# Altium PCB ir-24v-shit5-7-v2.PcbDoc (part 1 of 5) (continued)
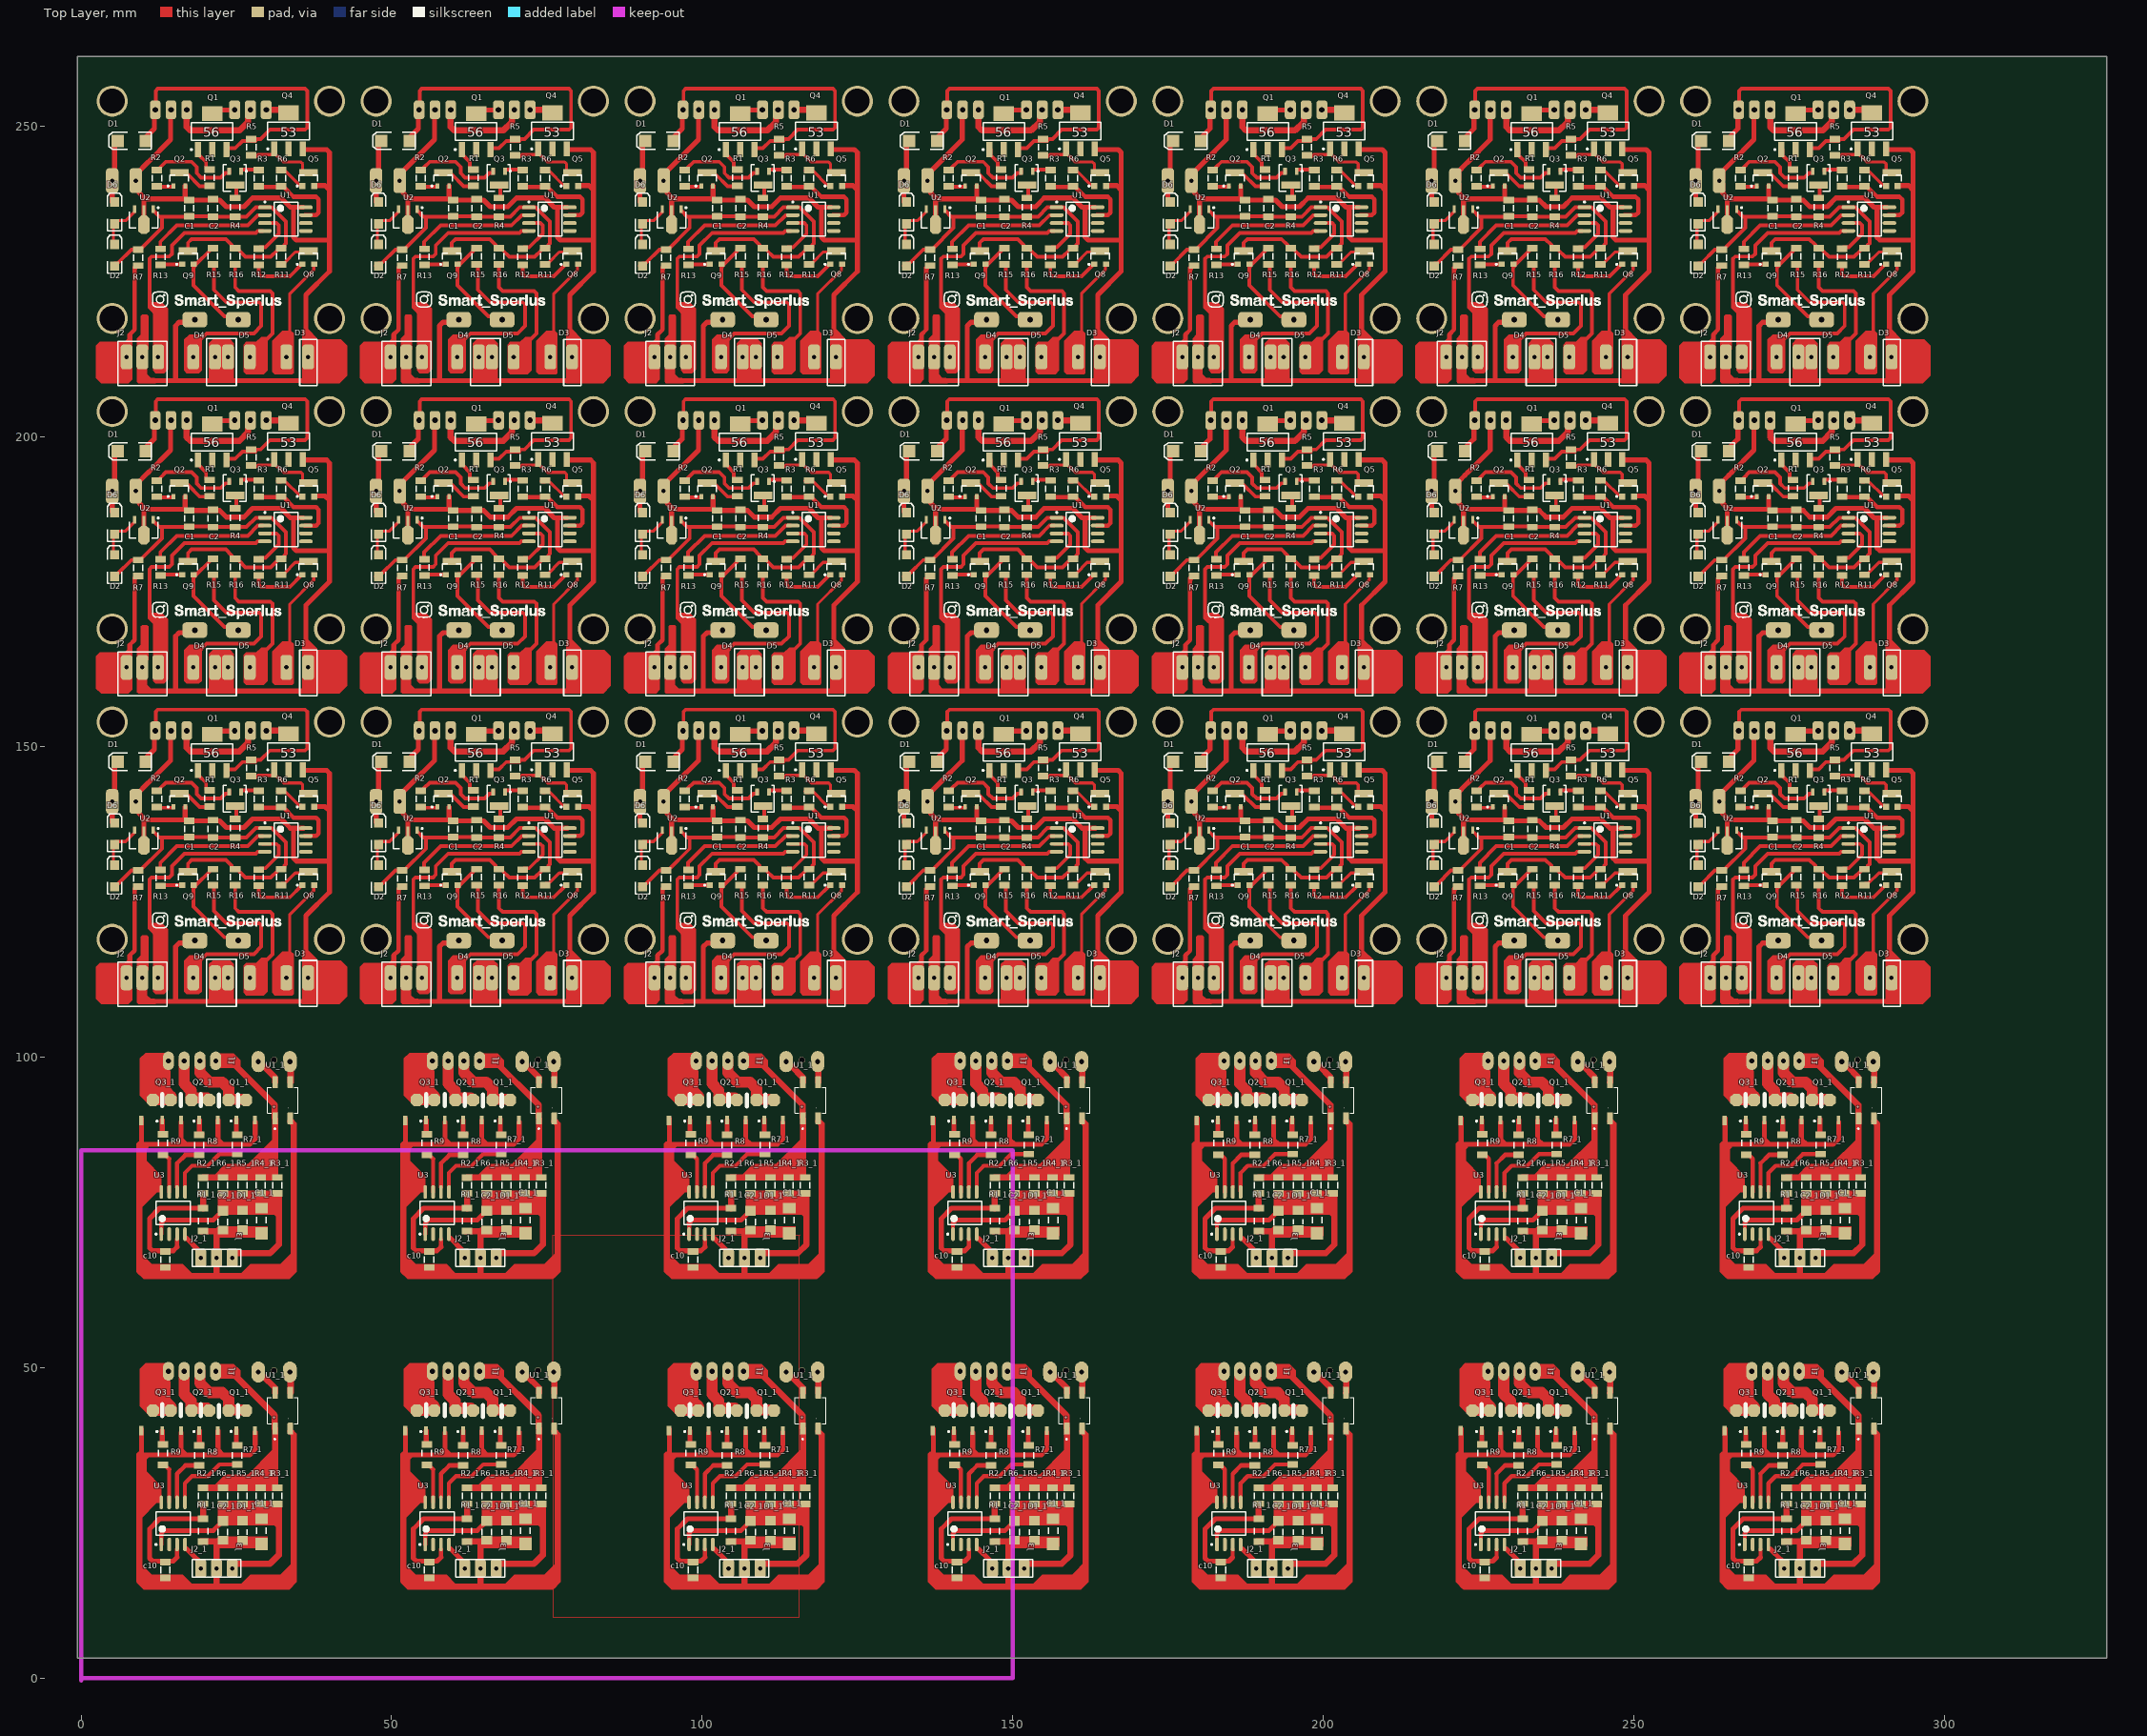
[diagram p0: Top Layer view]
## Components (designator, comment, footprint, x,y, rotation, side; value= is the part's Value field where it differs from the comment) (continued)
J2 "Header3X1" "HEADER 3X1"#3 219.82,112.8 r0 top
J2 "Header3X1" "HEADER 3X1"#3 219.82,162.8 r0 top
J2 "Header3X1" "HEADER 3X1"#3 219.82,212.8 r0 top
J2 "Header3X1" "HEADER 3X1"#3 177.32,112.8 r0 top
J2 "Header3X1" "HEADER 3X1"#3 177.32,162.8 r0 top
J2 "Header3X1" "HEADER 3X1"#3 177.32,212.8 r0 top
J2 "Header3X1" "HEADER 3X1"#3 134.82,112.8 r0 top
J2 "Header3X1" "HEADER 3X1"#3 134.82,162.8 r0 top
J2 "Header3X1" "HEADER 3X1"#3 134.82,212.8 r0 top
J2 "Header3X1" "HEADER 3X1"#3 92.32,112.8 r0 top
J2 "Header3X1" "HEADER 3X1"#3 92.32,162.8 r0 top
J2 "Header3X1" "HEADER 3X1"#3 92.32,212.8 r0 top
J2 "Header3X1" "HEADER 3X1"#3 49.82,112.8 r0 top
J2 "Header3X1" "HEADER 3X1"#3 49.82,162.8 r0 top
J2 "Header3X1" "HEADER 3X1"#3 49.82,212.8 r0 top
J2 "Header3X1" "HEADER 3X1"#3 7.32,112.8 r0 top
J2 "Header3X1" "HEADER 3X1"#3 7.32,162.8 r0 top
J2 "Header3X1" "HEADER 3X1"#3 7.32,212.8 r0 top
J2_1 "Header3X1" "HEADER 3X1"#4 19.258,67.68 r0 top (schematic designator J2)
J2_1 "Header3X1" "HEADER 3X1"#4 61.758,67.68 r0 top (schematic designator J2)
J2_1 "Header3X1" "HEADER 3X1"#4 104.258,67.68 r0 top (schematic designator J2)
J2_1 "Header3X1" "HEADER 3X1"#4 146.758,67.68 r0 top (schematic designator J2)
J2_1 "Header3X1" "HEADER 3X1"#4 189.258,67.68 r0 top (schematic designator J2)
J2_1 "Header3X1" "HEADER 3X1"#4 231.758,67.68 r0 top (schematic designator J2)
J2_1 "Header3X1" "HEADER 3X1"#4 274.258,67.68 r0 top (schematic designator J2)
J2_1 "Header3X1" "HEADER 3X1"#4 19.258,17.68 r0 top (schematic designator J2)
J2_1 "Header3X1" "HEADER 3X1"#4 61.758,17.68 r0 top (schematic designator J2)
J2_1 "Header3X1" "HEADER 3X1"#4 104.258,17.68 r0 top (schematic designator J2)
J2_1 "Header3X1" "HEADER 3X1"#4 146.758,17.68 r0 top (schematic designator J2)
J2_1 "Header3X1" "HEADER 3X1"#4 189.258,17.68 r0 top (schematic designator J2)
J2_1 "Header3X1" "HEADER 3X1"#4 231.758,17.68 r0 top (schematic designator J2)
J2_1 "Header3X1" "HEADER 3X1"#4 274.258,17.68 r0 top (schematic designator J2)
J3 "Header4X1" "HEADER 4X1" 21.671,99.43 r180 bottom
J3 "Header4X1" "HEADER 4X1" 64.171,99.43 r180 bottom
J3 "Header4X1" "HEADER 4X1" 106.671,99.43 r180 bottom
J3 "Header4X1" "HEADER 4X1" 149.171,99.43 r180 bottom
J3 "Header4X1" "HEADER 4X1" 191.671,99.43 r180 bottom
J3 "Header4X1" "HEADER 4X1" 234.171,99.43 r180 bottom
J3 "Header4X1" "HEADER 4X1" 276.671,99.43 r180 bottom
J3 "Header4X1" "HEADER 4X1" 21.671,49.43 r180 bottom
J3 "Header4X1" "HEADER 4X1" 64.171,49.43 r180 bottom
J3 "Header4X1" "HEADER 4X1" 106.671,49.43 r180 bottom
J3 "Header4X1" "HEADER 4X1" 149.171,49.43 r180 bottom
J3 "Header4X1" "HEADER 4X1" 191.671,49.43 r180 bottom
J3 "Header4X1" "HEADER 4X1" 234.171,49.43 r180 bottom
J3 "Header4X1" "HEADER 4X1" 276.671,49.43 r180 bottom
J3 "Header3X1" "HEADER 3X1"#5 266.92,152.6 r0 bottom
J3 "Header3X1" "HEADER 3X1"#5 266.92,202.6 r0 bottom
J3 "Header3X1" "HEADER 3X1"#5 266.92,252.6 r0 bottom
J3 "Header3X1" "HEADER 3X1"#5 224.42,152.6 r0 bottom
J3 "Header3X1" "HEADER 3X1"#5 224.42,202.6 r0 bottom
J3 "Header3X1" "HEADER 3X1"#5 224.42,252.6 r0 bottom
J3 "Header3X1" "HEADER 3X1"#5 181.92,152.6 r0 bottom
J3 "Header3X1" "HEADER 3X1"#5 181.92,202.6 r0 bottom
J3 "Header3X1" "HEADER 3X1"#5 181.92,252.6 r0 bottom
J3 "Header3X1" "HEADER 3X1"#5 139.42,152.6 r0 bottom
J3 "Header3X1" "HEADER 3X1"#5 139.42,202.6 r0 bottom
J3 "Header3X1" "HEADER 3X1"#5 139.42,252.6 r0 bottom
J3 "Header3X1" "HEADER 3X1"#5 96.92,152.6 r0 bottom
J3 "Header3X1" "HEADER 3X1"#5 96.92,202.6 r0 bottom
J3 "Header3X1" "HEADER 3X1"#5 96.92,252.6 r0 bottom
J3 "Header3X1" "HEADER 3X1"#5 54.42,152.6 r0 bottom
J3 "Header3X1" "HEADER 3X1"#5 54.42,202.6 r0 bottom
J3 "Header3X1" "HEADER 3X1"#5 54.42,252.6 r0 bottom
J3 "Header3X1" "HEADER 3X1"#5 11.92,152.6 r0 bottom
J3 "Header3X1" "HEADER 3X1"#5 11.92,202.6 r0 bottom
J3 "Header3X1" "HEADER 3X1"#5 11.92,252.6 r0 bottom
Q1 "MOSFET-P4" SOT223_N 276.1,149.1 r90 top
Q1 "MOSFET-P4" SOT223_N 276.1,199.1 r90 top
Q1 "MOSFET-P4" SOT223_N 276.1,249.1 r90 top
Q1 "MOSFET-P4" SOT223_N 233.6,149.1 r90 top
Q1 "MOSFET-P4" SOT223_N 233.6,199.1 r90 top
Q1 "MOSFET-P4" SOT223_N 233.6,249.1 r90 top
Q1 "MOSFET-P4" SOT223_N 191.1,149.1 r90 top
Q1 "MOSFET-P4" SOT223_N 191.1,199.1 r90 top
Q1 "MOSFET-P4" SOT223_N 191.1,249.1 r90 top
Q1 "MOSFET-P4" SOT223_N 148.6,149.1 r90 top
Q1 "MOSFET-P4" SOT223_N 148.6,199.1 r90 top
Q1 "MOSFET-P4" SOT223_N 148.6,249.1 r90 top
Q1 "MOSFET-P4" SOT223_N 106.1,149.1 r90 top
Q1 "MOSFET-P4" SOT223_N 106.1,199.1 r90 top
Q1 "MOSFET-P4" SOT223_N 106.1,249.1 r90 top
Q1 "MOSFET-P4" SOT223_N 63.6,149.1 r90 top
Q1 "MOSFET-P4" SOT223_N 63.6,199.1 r90 top
Q1 "MOSFET-P4" SOT223_N 63.6,249.1 r90 top
Q1 "MOSFET-P4" SOT223_N 21.1,149.1 r90 top
Q1 "MOSFET-P4" SOT223_N 21.1,199.1 r90 top
Q1 "MOSFET-P4" SOT223_N 21.1,249.1 r90 top
Q1_1 "Triac" SOT89N 26.497,91.683 r90 top (schematic designator Q1)
Q1_1 "Triac" SOT89N 68.997,91.683 r90 top (schematic designator Q1)
Q1_1 "Triac" SOT89N 111.497,91.683 r90 top (schematic designator Q1)
Q1_1 "Triac" SOT89N 153.997,91.683 r90 top (schematic designator Q1)
Q1_1 "Triac" SOT89N 196.497,91.683 r90 top (schematic designator Q1)
Q1_1 "Triac" SOT89N 238.997,91.683 r90 top (schematic designator Q1)
Q1_1 "Triac" SOT89N 281.497,91.683 r90 top (schematic designator Q1)
Q1_1 "Triac" SOT89N 26.497,41.683 r90 top (schematic designator Q1)
Q1_1 "Triac" SOT89N 68.997,41.683 r90 top (schematic designator Q1)
Q1_1 "Triac" SOT89N 111.497,41.683 r90 top (schematic designator Q1)
Q1_1 "Triac" SOT89N 153.997,41.683 r90 top (schematic designator Q1)
Q1_1 "Triac" SOT89N 196.497,41.683 r90 top (schematic designator Q1)
Q1_1 "Triac" SOT89N 238.997,41.683 r90 top (schematic designator Q1)
Q1_1 "Triac" SOT89N 281.497,41.683 r90 top (schematic designator Q1)
Q2 "QNPN" SOT-23B_L#1 270.8,141.4 r90 top
Q2 "QNPN" SOT-23B_L#1 270.8,191.4 r90 top
Q2 "QNPN" SOT-23B_L#1 270.8,241.4 r90 top
Q2 "QNPN" SOT-23B_L#1 228.3,141.4 r90 top
Q2 "QNPN" SOT-23B_L#1 228.3,191.4 r90 top
Q2 "QNPN" SOT-23B_L#1 228.3,241.4 r90 top
Q2 "QNPN" SOT-23B_L#1 185.8,141.4 r90 top
Q2 "QNPN" SOT-23B_L#1 185.8,191.4 r90 top
Q2 "QNPN" SOT-23B_L#1 185.8,241.4 r90 top
Q2 "QNPN" SOT-23B_L#1 143.3,141.4 r90 top
Q2 "QNPN" SOT-23B_L#1 143.3,191.4 r90 top
Q2 "QNPN" SOT-23B_L#1 143.3,241.4 r90 top
Q2 "QNPN" SOT-23B_L#1 100.8,141.4 r90 top
Q2 "QNPN" SOT-23B_L#1 100.8,191.4 r90 top
Q2 "QNPN" SOT-23B_L#1 100.8,241.4 r90 top
Q2 "QNPN" SOT-23B_L#1 58.3,141.4 r90 top
Q2 "QNPN" SOT-23B_L#1 58.3,191.4 r90 top
Q2 "QNPN" SOT-23B_L#1 58.3,241.4 r90 top
Q2 "QNPN" SOT-23B_L#1 15.8,141.4 r90 top
Q2 "QNPN" SOT-23B_L#1 15.8,191.4 r90 top
Q2 "QNPN" SOT-23B_L#1 15.8,241.4 r90 top
Q2_1 "Triac" SOT89N 20.528,91.672 r90 top (schematic designator Q2)
Q2_1 "Triac" SOT89N 63.028,91.672 r90 top (schematic designator Q2)
Q2_1 "Triac" SOT89N 105.528,91.672 r90 top (schematic designator Q2)
Q2_1 "Triac" SOT89N 148.028,91.672 r90 top (schematic designator Q2)
Q2_1 "Triac" SOT89N 190.528,91.672 r90 top (schematic designator Q2)
Q2_1 "Triac" SOT89N 233.028,91.672 r90 top (schematic designator Q2)
Q2_1 "Triac" SOT89N 275.528,91.672 r90 top (schematic designator Q2)
Q2_1 "Triac" SOT89N 20.528,41.672 r90 top (schematic designator Q2)
Q2_1 "Triac" SOT89N 63.028,41.672 r90 top (schematic designator Q2)
Q2_1 "Triac" SOT89N 105.528,41.672 r90 top (schematic designator Q2)
Q2_1 "Triac" SOT89N 148.028,41.672 r90 top (schematic designator Q2)
Q2_1 "Triac" SOT89N 190.528,41.672 r90 top (schematic designator Q2)
Q2_1 "Triac" SOT89N 233.028,41.672 r90 top (schematic designator Q2)
Q2_1 "Triac" SOT89N 275.528,41.672 r90 top (schematic designator Q2)
Q3 "PNP" SOT-23B_N 279.8,141.6 r270 top
Q3 "PNP" SOT-23B_N 279.8,191.6 r270 top
Q3 "PNP" SOT-23B_N 279.8,241.6 r270 top
Q3 "PNP" SOT-23B_N 237.3,141.6 r270 top
Q3 "PNP" SOT-23B_N 237.3,191.6 r270 top
Q3 "PNP" SOT-23B_N 237.3,241.6 r270 top
Q3 "PNP" SOT-23B_N 194.8,141.6 r270 top
Q3 "PNP" SOT-23B_N 194.8,191.6 r270 top
Q3 "PNP" SOT-23B_N 194.8,241.6 r270 top
Q3 "PNP" SOT-23B_N 152.3,141.6 r270 top
Q3 "PNP" SOT-23B_N 152.3,191.6 r270 top
Q3 "PNP" SOT-23B_N 152.3,241.6 r270 top
Q3 "PNP" SOT-23B_N 109.8,141.6 r270 top
Q3 "PNP" SOT-23B_N 109.8,191.6 r270 top
Q3 "PNP" SOT-23B_N 109.8,241.6 r270 top
Q3 "PNP" SOT-23B_N 67.3,141.6 r270 top
Q3 "PNP" SOT-23B_N 67.3,191.6 r270 top
Q3 "PNP" SOT-23B_N 67.3,241.6 r270 top
Q3 "PNP" SOT-23B_N 24.8,141.6 r270 top
Q3 "PNP" SOT-23B_N 24.8,191.6 r270 top
Q3 "PNP" SOT-23B_N 24.8,241.6 r270 top
Q3_1 "Triac" SOT89N 14.559,91.672 r90 top (schematic designator Q3)
Q3_1 "Triac" SOT89N 57.059,91.672 r90 top (schematic designator Q3)
Q3_1 "Triac" SOT89N 99.559,91.672 r90 top (schematic designator Q3)
Q3_1 "Triac" SOT89N 142.059,91.672 r90 top (schematic designator Q3)
Q3_1 "Triac" SOT89N 184.559,91.672 r90 top (schematic designator Q3)
Q3_1 "Triac" SOT89N 227.059,91.672 r90 top (schematic designator Q3)
Q3_1 "Triac" SOT89N 269.559,91.672 r90 top (schematic designator Q3)
Q3_1 "Triac" SOT89N 14.559,41.672 r90 top (schematic designator Q3)
Q3_1 "Triac" SOT89N 57.059,41.672 r90 top (schematic designator Q3)
Q3_1 "Triac" SOT89N 99.559,41.672 r90 top (schematic designator Q3)
Q3_1 "Triac" SOT89N 142.059,41.672 r90 top (schematic designator Q3)
Q3_1 "Triac" SOT89N 184.559,41.672 r90 top (schematic designator Q3)
Q3_1 "Triac" SOT89N 227.059,41.672 r90 top (schematic designator Q3)
Q3_1 "Triac" SOT89N 269.559,41.672 r90 top (schematic designator Q3)
Q4 "MOSFET-P4" SOT223_N 288.4,149.2 r90 top
Q4 "MOSFET-P4" SOT223_N 288.4,199.2 r90 top
Q4 "MOSFET-P4" SOT223_N 288.4,249.2 r90 top
Q4 "MOSFET-P4" SOT223_N 245.9,149.2 r90 top
Q4 "MOSFET-P4" SOT223_N 245.9,199.2 r90 top
Q4 "MOSFET-P4" SOT223_N 245.9,249.2 r90 top
Q4 "MOSFET-P4" SOT223_N 203.4,149.2 r90 top
Q4 "MOSFET-P4" SOT223_N 203.4,199.2 r90 top
Q4 "MOSFET-P4" SOT223_N 203.4,249.2 r90 top
Q4 "MOSFET-P4" SOT223_N 160.9,149.2 r90 top
Q4 "MOSFET-P4" SOT223_N 160.9,199.2 r90 top
Q4 "MOSFET-P4" SOT223_N 160.9,249.2 r90 top
Q4 "MOSFET-P4" SOT223_N 118.4,149.2 r90 top
Q4 "MOSFET-P4" SOT223_N 118.4,199.2 r90 top
Q4 "MOSFET-P4" SOT223_N 118.4,249.2 r90 top
Q4 "MOSFET-P4" SOT223_N 75.9,149.2 r90 top
Q4 "MOSFET-P4" SOT223_N 75.9,199.2 r90 top
Q4 "MOSFET-P4" SOT223_N 75.9,249.2 r90 top
Q4 "MOSFET-P4" SOT223_N 33.4,149.2 r90 top
Q4 "MOSFET-P4" SOT223_N 33.4,199.2 r90 top
Q4 "MOSFET-P4" SOT223_N 33.4,249.2 r90 top
Q5 "QNPN" SOT-23B_L#2 291.6,141.4 r90 top
Q5 "QNPN" SOT-23B_L#2 291.6,191.4 r90 top
Q5 "QNPN" SOT-23B_L#2 291.6,241.4 r90 top
Q5 "QNPN" SOT-23B_L#2 249.1,141.4 r90 top
Q5 "QNPN" SOT-23B_L#2 249.1,191.4 r90 top
Q5 "QNPN" SOT-23B_L#2 249.1,241.4 r90 top
Q5 "QNPN" SOT-23B_L#2 206.6,141.4 r90 top
Q5 "QNPN" SOT-23B_L#2 206.6,191.4 r90 top
Q5 "QNPN" SOT-23B_L#2 206.6,241.4 r90 top
Q5 "QNPN" SOT-23B_L#2 164.1,141.4 r90 top
Q5 "QNPN" SOT-23B_L#2 164.1,191.4 r90 top
Q5 "QNPN" SOT-23B_L#2 164.1,241.4 r90 top
Q5 "QNPN" SOT-23B_L#2 121.6,141.4 r90 top
Q5 "QNPN" SOT-23B_L#2 121.6,191.4 r90 top
Q5 "QNPN" SOT-23B_L#2 121.6,241.4 r90 top
Q5 "QNPN" SOT-23B_L#2 79.1,141.4 r90 top
Q5 "QNPN" SOT-23B_L#2 79.1,191.4 r90 top
Q5 "QNPN" SOT-23B_L#2 79.1,241.4 r90 top
Q5 "QNPN" SOT-23B_L#2 36.6,141.4 r90 top
Q5 "QNPN" SOT-23B_L#2 36.6,191.4 r90 top
Q5 "QNPN" SOT-23B_L#2 36.6,241.4 r90 top
Q8 "QNPN" SOT-23B_L#3 291.6,128.8 r90 top
Q8 "QNPN" SOT-23B_L#3 291.6,178.8 r90 top
Q8 "QNPN" SOT-23B_L#3 291.6,228.8 r90 top
Q8 "QNPN" SOT-23B_L#3 249.1,128.8 r90 top
Q8 "QNPN" SOT-23B_L#3 249.1,178.8 r90 top
Q8 "QNPN" SOT-23B_L#3 249.1,228.8 r90 top
Q8 "QNPN" SOT-23B_L#3 206.6,128.8 r90 top
Q8 "QNPN" SOT-23B_L#3 206.6,178.8 r90 top
Q8 "QNPN" SOT-23B_L#3 206.6,228.8 r90 top
Q8 "QNPN" SOT-23B_L#3 164.1,128.8 r90 top
Q8 "QNPN" SOT-23B_L#3 164.1,178.8 r90 top
Q8 "QNPN" SOT-23B_L#3 164.1,228.8 r90 top
Q8 "QNPN" SOT-23B_L#3 121.6,128.8 r90 top
Q8 "QNPN" SOT-23B_L#3 121.6,178.8 r90 top
Q8 "QNPN" SOT-23B_L#3 121.6,228.8 r90 top
Q8 "QNPN" SOT-23B_L#3 79.1,128.8 r90 top
Q8 "QNPN" SOT-23B_L#3 79.1,178.8 r90 top
Q8 "QNPN" SOT-23B_L#3 79.1,228.8 r90 top
Q8 "QNPN" SOT-23B_L#3 36.6,128.8 r90 top
Q8 "QNPN" SOT-23B_L#3 36.6,178.8 r90 top
Q8 "QNPN" SOT-23B_L#3 36.6,228.8 r90 top
Q9 "QNPN" SOT-23B_L#3 272.2,128.8 r90 top
Q9 "QNPN" SOT-23B_L#3 272.2,178.8 r90 top
Q9 "QNPN" SOT-23B_L#3 272.2,228.8 r90 top
Q9 "QNPN" SOT-23B_L#3 229.7,128.8 r90 top
Q9 "QNPN" SOT-23B_L#3 229.7,178.8 r90 top
Q9 "QNPN" SOT-23B_L#3 229.7,228.8 r90 top
Q9 "QNPN" SOT-23B_L#3 187.2,128.8 r90 top
Q9 "QNPN" SOT-23B_L#3 187.2,178.8 r90 top
Q9 "QNPN" SOT-23B_L#3 187.2,228.8 r90 top
Q9 "QNPN" SOT-23B_L#3 144.7,128.8 r90 top
Q9 "QNPN" SOT-23B_L#3 144.7,178.8 r90 top
Q9 "QNPN" SOT-23B_L#3 144.7,228.8 r90 top
Q9 "QNPN" SOT-23B_L#3 102.2,128.8 r90 top
Q9 "QNPN" SOT-23B_L#3 102.2,178.8 r90 top
Q9 "QNPN" SOT-23B_L#3 102.2,228.8 r90 top
Q9 "QNPN" SOT-23B_L#3 59.7,128.8 r90 top
Q9 "QNPN" SOT-23B_L#3 59.7,178.8 r90 top
Q9 "QNPN" SOT-23B_L#3 59.7,228.8 r90 top
Q9 "QNPN" SOT-23B_L#3 17.2,128.8 r90 top
Q9 "QNPN" SOT-23B_L#3 17.2,178.8 r90 top
Q9 "QNPN" SOT-23B_L#3 17.2,228.8 r90 top
R1 "10K" "RES 1206 (3216X08L)"#2 275.668,141.676 r90 top
R1 "10K" "RES 1206 (3216X08L)"#2 275.668,191.676 r90 top
R1 "10K" "RES 1206 (3216X08L)"#2 275.668,241.676 r90 top
R1 "10K" "RES 1206 (3216X08L)"#2 233.168,141.676 r90 top
R1 "10K" "RES 1206 (3216X08L)"#2 233.168,191.676 r90 top
R1 "10K" "RES 1206 (3216X08L)"#2 233.168,241.676 r90 top
R1 "10K" "RES 1206 (3216X08L)"#2 190.668,141.676 r90 top
R1 "10K" "RES 1206 (3216X08L)"#2 190.668,191.676 r90 top
R1 "10K" "RES 1206 (3216X08L)"#2 190.668,241.676 r90 top
R1 "10K" "RES 1206 (3216X08L)"#2 148.168,141.676 r90 top
R1 "10K" "RES 1206 (3216X08L)"#2 148.168,191.676 r90 top
R1 "10K" "RES 1206 (3216X08L)"#2 148.168,241.676 r90 top
R1 "10K" "RES 1206 (3216X08L)"#2 105.668,141.676 r90 top
R1 "10K" "RES 1206 (3216X08L)"#2 105.668,191.676 r90 top
R1 "10K" "RES 1206 (3216X08L)"#2 105.668,241.676 r90 top
R1 "10K" "RES 1206 (3216X08L)"#2 63.168,141.676 r90 top
R1 "10K" "RES 1206 (3216X08L)"#2 63.168,191.676 r90 top
R1 "10K" "RES 1206 (3216X08L)"#2 63.168,241.676 r90 top
R1 "10K" "RES 1206 (3216X08L)"#2 20.668,141.676 r90 top
R1 "10K" "RES 1206 (3216X08L)"#2 20.668,191.676 r90 top
R1 "10K" "RES 1206 (3216X08L)"#2 20.668,241.676 r90 top
R1_1 "10K" "RES 1206 (3216X08L)"#3 19.639,73.649 r270 top (schematic designator R1)
R1_1 "10K" "RES 1206 (3216X08L)"#3 62.139,73.649 r270 top (schematic designator R1)
R1_1 "10K" "RES 1206 (3216X08L)"#3 104.639,73.649 r270 top (schematic designator R1)
R1_1 "10K" "RES 1206 (3216X08L)"#3 147.139,73.649 r270 top (schematic designator R1)
R1_1 "10K" "RES 1206 (3216X08L)"#3 189.639,73.649 r270 top (schematic designator R1)
R1_1 "10K" "RES 1206 (3216X08L)"#3 232.139,73.649 r270 top (schematic designator R1)
R1_1 "10K" "RES 1206 (3216X08L)"#3 274.639,73.649 r270 top (schematic designator R1)
R1_1 "10K" "RES 1206 (3216X08L)"#3 19.639,23.649 r270 top (schematic designator R1)
R1_1 "10K" "RES 1206 (3216X08L)"#3 62.139,23.649 r270 top (schematic designator R1)
R1_1 "10K" "RES 1206 (3216X08L)"#3 104.639,23.649 r270 top (schematic designator R1)
R1_1 "10K" "RES 1206 (3216X08L)"#3 147.139,23.649 r270 top (schematic designator R1)
R1_1 "10K" "RES 1206 (3216X08L)"#3 189.639,23.649 r270 top (schematic designator R1)
R1_1 "10K" "RES 1206 (3216X08L)"#3 232.139,23.649 r270 top (schematic designator R1)
R1_1 "10K" "RES 1206 (3216X08L)"#3 274.639,23.649 r270 top (schematic designator R1)
R2 "10K" "RES 1206 (3216X08L)"#2 267.2,141.6 r270 top
R2 "10K" "RES 1206 (3216X08L)"#2 267.2,191.6 r270 top
R2 "10K" "RES 1206 (3216X08L)"#2 267.2,241.6 r270 top
R2 "10K" "RES 1206 (3216X08L)"#2 224.7,141.6 r270 top
R2 "10K" "RES 1206 (3216X08L)"#2 224.7,191.6 r270 top
R2 "10K" "RES 1206 (3216X08L)"#2 224.7,241.6 r270 top
R2 "10K" "RES 1206 (3216X08L)"#2 182.2,141.6 r270 top
R2 "10K" "RES 1206 (3216X08L)"#2 182.2,191.6 r270 top
R2 "10K" "RES 1206 (3216X08L)"#2 182.2,241.6 r270 top
R2 "10K" "RES 1206 (3216X08L)"#2 139.7,141.6 r270 top
R2 "10K" "RES 1206 (3216X08L)"#2 139.7,191.6 r270 top
R2 "10K" "RES 1206 (3216X08L)"#2 139.7,241.6 r270 top
R2 "10K" "RES 1206 (3216X08L)"#2 97.2,141.6 r270 top
R2 "10K" "RES 1206 (3216X08L)"#2 97.2,191.6 r270 top
R2 "10K" "RES 1206 (3216X08L)"#2 97.2,241.6 r270 top
R2 "10K" "RES 1206 (3216X08L)"#2 54.7,141.6 r270 top
R2 "10K" "RES 1206 (3216X08L)"#2 54.7,191.6 r270 top
R2 "10K" "RES 1206 (3216X08L)"#2 54.7,241.6 r270 top
R2 "10K" "RES 1206 (3216X08L)"#2 12.2,141.6 r270 top
R2 "10K" "RES 1206 (3216X08L)"#2 12.2,191.6 r270 top
R2 "10K" "RES 1206 (3216X08L)"#2 12.2,241.6 r270 top
R2_1 "10K" "RES 1206 (3216X08L)"#1 19.639,79.364 r270 top (schematic designator R2)
R2_1 "10K" "RES 1206 (3216X08L)"#1 62.139,79.364 r270 top (schematic designator R2)
R2_1 "10K" "RES 1206 (3216X08L)"#1 104.639,79.364 r270 top (schematic designator R2)
R2_1 "10K" "RES 1206 (3216X08L)"#1 147.139,79.364 r270 top (schematic designator R2)
R2_1 "10K" "RES 1206 (3216X08L)"#1 189.639,79.364 r270 top (schematic designator R2)
R2_1 "10K" "RES 1206 (3216X08L)"#1 232.139,79.364 r270 top (schematic designator R2)
R2_1 "10K" "RES 1206 (3216X08L)"#1 274.639,79.364 r270 top (schematic designator R2)
R2_1 "10K" "RES 1206 (3216X08L)"#1 19.639,29.364 r270 top (schematic designator R2)
R2_1 "10K" "RES 1206 (3216X08L)"#1 62.139,29.364 r270 top (schematic designator R2)
R2_1 "10K" "RES 1206 (3216X08L)"#1 104.639,29.364 r270 top (schematic designator R2)
R2_1 "10K" "RES 1206 (3216X08L)"#1 147.139,29.364 r270 top (schematic designator R2)
R2_1 "10K" "RES 1206 (3216X08L)"#1 189.639,29.364 r270 top (schematic designator R2)
R2_1 "10K" "RES 1206 (3216X08L)"#1 232.139,29.364 r270 top (schematic designator R2)
R2_1 "10K" "RES 1206 (3216X08L)"#1 274.639,29.364 r270 top (schematic designator R2)
R3 "10K" "RES 1206 (3216X08L)"#2 283.6,141.6 r90 top
R3 "10K" "RES 1206 (3216X08L)"#2 283.6,191.6 r90 top
R3 "10K" "RES 1206 (3216X08L)"#2 283.6,241.6 r90 top
R3 "10K" "RES 1206 (3216X08L)"#2 241.1,141.6 r90 top
R3 "10K" "RES 1206 (3216X08L)"#2 241.1,191.6 r90 top
R3 "10K" "RES 1206 (3216X08L)"#2 241.1,241.6 r90 top
R3 "10K" "RES 1206 (3216X08L)"#2 198.6,141.6 r90 top
R3 "10K" "RES 1206 (3216X08L)"#2 198.6,191.6 r90 top
R3 "10K" "RES 1206 (3216X08L)"#2 198.6,241.6 r90 top
R3 "10K" "RES 1206 (3216X08L)"#2 156.1,141.6 r90 top
R3 "10K" "RES 1206 (3216X08L)"#2 156.1,191.6 r90 top
R3 "10K" "RES 1206 (3216X08L)"#2 156.1,241.6 r90 top
R3 "10K" "RES 1206 (3216X08L)"#2 113.6,141.6 r90 top
R3 "10K" "RES 1206 (3216X08L)"#2 113.6,191.6 r90 top
R3 "10K" "RES 1206 (3216X08L)"#2 113.6,241.6 r90 top
R3 "10K" "RES 1206 (3216X08L)"#2 71.1,141.6 r90 top
R3 "10K" "RES 1206 (3216X08L)"#2 71.1,191.6 r90 top
R3 "10K" "RES 1206 (3216X08L)"#2 71.1,241.6 r90 top
R3 "10K" "RES 1206 (3216X08L)"#2 28.6,141.6 r90 top
R3 "10K" "RES 1206 (3216X08L)"#2 28.6,191.6 r90 top
R3 "10K" "RES 1206 (3216X08L)"#2 28.6,241.6 r90 top
R3_1 "10K" "RES 1206 (3216X08L)"#2 31.577,79.364 r270 top (schematic designator R3)
R3_1 "10K" "RES 1206 (3216X08L)"#2 74.077,79.364 r270 top (schematic designator R3)
R3_1 "10K" "RES 1206 (3216X08L)"#2 116.577,79.364 r270 top (schematic designator R3)
R3_1 "10K" "RES 1206 (3216X08L)"#2 159.077,79.364 r270 top (schematic designator R3)
R3_1 "10K" "RES 1206 (3216X08L)"#2 201.577,79.364 r270 top (schematic designator R3)
R3_1 "10K" "RES 1206 (3216X08L)"#2 244.077,79.364 r270 top (schematic designator R3)
R3_1 "10K" "RES 1206 (3216X08L)"#2 286.577,79.364 r270 top (schematic designator R3)
R3_1 "10K" "RES 1206 (3216X08L)"#2 31.577,29.364 r270 top (schematic designator R3)
R3_1 "10K" "RES 1206 (3216X08L)"#2 74.077,29.364 r270 top (schematic designator R3)
R3_1 "10K" "RES 1206 (3216X08L)"#2 116.577,29.364 r270 top (schematic designator R3)
R3_1 "10K" "RES 1206 (3216X08L)"#2 159.077,29.364 r270 top (schematic designator R3)
R3_1 "10K" "RES 1206 (3216X08L)"#2 201.577,29.364 r270 top (schematic designator R3)
R3_1 "10K" "RES 1206 (3216X08L)"#2 244.077,29.364 r270 top (schematic designator R3)
R3_1 "10K" "RES 1206 (3216X08L)"#2 286.577,29.364 r270 top (schematic designator R3)
R4 "10K" "RES 1206 (3216X08L)"#4 279.8,136.905 r270 top
R4 "10K" "RES 1206 (3216X08L)"#4 279.8,186.905 r270 top
R4 "10K" "RES 1206 (3216X08L)"#4 279.8,236.905 r270 top
R4 "10K" "RES 1206 (3216X08L)"#4 237.3,136.905 r270 top
R4 "10K" "RES 1206 (3216X08L)"#4 237.3,186.905 r270 top
R4 "10K" "RES 1206 (3216X08L)"#4 237.3,236.905 r270 top
R4 "10K" "RES 1206 (3216X08L)"#4 194.8,136.905 r270 top
R4 "10K" "RES 1206 (3216X08L)"#4 194.8,186.905 r270 top
R4 "10K" "RES 1206 (3216X08L)"#4 194.8,236.905 r270 top
R4 "10K" "RES 1206 (3216X08L)"#4 152.3,136.905 r270 top
R4 "10K" "RES 1206 (3216X08L)"#4 152.3,186.905 r270 top
R4 "10K" "RES 1206 (3216X08L)"#4 152.3,236.905 r270 top
R4 "10K" "RES 1206 (3216X08L)"#4 109.8,136.905 r270 top
R4 "10K" "RES 1206 (3216X08L)"#4 109.8,186.905 r270 top
R4 "10K" "RES 1206 (3216X08L)"#4 109.8,236.905 r270 top
R4 "10K" "RES 1206 (3216X08L)"#4 67.3,136.905 r270 top
R4 "10K" "RES 1206 (3216X08L)"#4 67.3,186.905 r270 top
R4 "10K" "RES 1206 (3216X08L)"#4 67.3,236.905 r270 top
R4 "10K" "RES 1206 (3216X08L)"#4 24.8,136.905 r270 top
R4 "10K" "RES 1206 (3216X08L)"#4 24.8,186.905 r270 top
R4 "10K" "RES 1206 (3216X08L)"#4 24.8,236.905 r270 top
R4_1 "10K" "RES 1206 (3216X08L)"#2 28.91,79.364 r270 top (schematic designator R4)
R4_1 "10K" "RES 1206 (3216X08L)"#2 71.41,79.364 r270 top (schematic designator R4)
R4_1 "10K" "RES 1206 (3216X08L)"#2 113.91,79.364 r270 top (schematic designator R4)
R4_1 "10K" "RES 1206 (3216X08L)"#2 156.41,79.364 r270 top (schematic designator R4)
R4_1 "10K" "RES 1206 (3216X08L)"#2 198.91,79.364 r270 top (schematic designator R4)
R4_1 "10K" "RES 1206 (3216X08L)"#2 241.41,79.364 r270 top (schematic designator R4)
R4_1 "10K" "RES 1206 (3216X08L)"#2 283.91,79.364 r270 top (schematic designator R4)
R4_1 "10K" "RES 1206 (3216X08L)"#2 28.91,29.364 r270 top (schematic designator R4)
R4_1 "10K" "RES 1206 (3216X08L)"#2 71.41,29.364 r270 top (schematic designator R4)
R4_1 "10K" "RES 1206 (3216X08L)"#2 113.91,29.364 r270 top (schematic designator R4)
R4_1 "10K" "RES 1206 (3216X08L)"#2 156.41,29.364 r270 top (schematic designator R4)
R4_1 "10K" "RES 1206 (3216X08L)"#2 198.91,29.364 r270 top (schematic designator R4)
R4_1 "10K" "RES 1206 (3216X08L)"#2 241.41,29.364 r270 top (schematic designator R4)
R4_1 "10K" "RES 1206 (3216X08L)"#2 283.91,29.364 r270 top (schematic designator R4)
R5 "10K" "RES 1206 (3216X08L)"#2 282.4,146.6 r90 top
R5 "10K" "RES 1206 (3216X08L)"#2 282.4,196.6 r90 top
R5 "10K" "RES 1206 (3216X08L)"#2 282.4,246.6 r90 top
R5 "10K" "RES 1206 (3216X08L)"#2 239.9,146.6 r90 top
R5 "10K" "RES 1206 (3216X08L)"#2 239.9,196.6 r90 top
R5 "10K" "RES 1206 (3216X08L)"#2 239.9,246.6 r90 top
R5 "10K" "RES 1206 (3216X08L)"#2 197.4,146.6 r90 top
R5 "10K" "RES 1206 (3216X08L)"#2 197.4,196.6 r90 top
R5 "10K" "RES 1206 (3216X08L)"#2 197.4,246.6 r90 top
R5 "10K" "RES 1206 (3216X08L)"#2 154.9,146.6 r90 top
R5 "10K" "RES 1206 (3216X08L)"#2 154.9,196.6 r90 top
R5 "10K" "RES 1206 (3216X08L)"#2 154.9,246.6 r90 top
R5 "10K" "RES 1206 (3216X08L)"#2 112.4,146.6 r90 top
R5 "10K" "RES 1206 (3216X08L)"#2 112.4,196.6 r90 top
R5 "10K" "RES 1206 (3216X08L)"#2 112.4,246.6 r90 top
R5 "10K" "RES 1206 (3216X08L)"#2 69.9,146.6 r90 top
R5 "10K" "RES 1206 (3216X08L)"#2 69.9,196.6 r90 top
R5 "10K" "RES 1206 (3216X08L)"#2 69.9,246.6 r90 top
R5 "10K" "RES 1206 (3216X08L)"#2 27.4,146.6 r90 top
R5 "10K" "RES 1206 (3216X08L)"#2 27.4,196.6 r90 top
R5 "10K" "RES 1206 (3216X08L)"#2 27.4,246.6 r90 top
R5_1 "10K" "RES 1206 (3216X08L)"#2 25.989,79.364 r270 top (schematic designator R5)
R5_1 "10K" "RES 1206 (3216X08L)"#2 68.489,79.364 r270 top (schematic designator R5)
R5_1 "10K" "RES 1206 (3216X08L)"#2 110.989,79.364 r270 top (schematic designator R5)
R5_1 "10K" "RES 1206 (3216X08L)"#2 153.489,79.364 r270 top (schematic designator R5)
R5_1 "10K" "RES 1206 (3216X08L)"#2 195.989,79.364 r270 top (schematic designator R5)
R5_1 "10K" "RES 1206 (3216X08L)"#2 238.489,79.364 r270 top (schematic designator R5)
R5_1 "10K" "RES 1206 (3216X08L)"#2 280.989,79.364 r270 top (schematic designator R5)
R5_1 "10K" "RES 1206 (3216X08L)"#2 25.989,29.364 r270 top (schematic designator R5)
R5_1 "10K" "RES 1206 (3216X08L)"#2 68.489,29.364 r270 top (schematic designator R5)
R5_1 "10K" "RES 1206 (3216X08L)"#2 110.989,29.364 r270 top (schematic designator R5)
R5_1 "10K" "RES 1206 (3216X08L)"#2 153.489,29.364 r270 top (schematic designator R5)
R5_1 "10K" "RES 1206 (3216X08L)"#2 195.989,29.364 r270 top (schematic designator R5)
R5_1 "10K" "RES 1206 (3216X08L)"#2 238.489,29.364 r270 top (schematic designator R5)
R5_1 "10K" "RES 1206 (3216X08L)"#2 280.989,29.364 r270 top (schematic designator R5)
R6 "10K" "RES 1206 (3216X08L)"#2 287.2,141.6 r90 top
R6 "10K" "RES 1206 (3216X08L)"#2 287.2,191.6 r90 top
R6 "10K" "RES 1206 (3216X08L)"#2 287.2,241.6 r90 top
R6 "10K" "RES 1206 (3216X08L)"#2 244.7,141.6 r90 top
R6 "10K" "RES 1206 (3216X08L)"#2 244.7,191.6 r90 top
R6 "10K" "RES 1206 (3216X08L)"#2 244.7,241.6 r90 top
R6 "10K" "RES 1206 (3216X08L)"#2 202.2,141.6 r90 top
R6 "10K" "RES 1206 (3216X08L)"#2 202.2,191.6 r90 top
R6 "10K" "RES 1206 (3216X08L)"#2 202.2,241.6 r90 top
R6 "10K" "RES 1206 (3216X08L)"#2 159.7,141.6 r90 top
R6 "10K" "RES 1206 (3216X08L)"#2 159.7,191.6 r90 top
R6 "10K" "RES 1206 (3216X08L)"#2 159.7,241.6 r90 top
R6 "10K" "RES 1206 (3216X08L)"#2 117.2,141.6 r90 top
R6 "10K" "RES 1206 (3216X08L)"#2 117.2,191.6 r90 top
R6 "10K" "RES 1206 (3216X08L)"#2 117.2,241.6 r90 top
R6 "10K" "RES 1206 (3216X08L)"#2 74.7,141.6 r90 top
R6 "10K" "RES 1206 (3216X08L)"#2 74.7,191.6 r90 top
R6 "10K" "RES 1206 (3216X08L)"#2 74.7,241.6 r90 top
R6 "10K" "RES 1206 (3216X08L)"#2 32.2,141.6 r90 top
R6 "10K" "RES 1206 (3216X08L)"#2 32.2,191.6 r90 top
R6 "10K" "RES 1206 (3216X08L)"#2 32.2,241.6 r90 top
R6_1 "10K" "RES 1206 (3216X08L)"#2 22.814,79.364 r270 top (schematic designator R6)
R6_1 "10K" "RES 1206 (3216X08L)"#2 65.314,79.364 r270 top (schematic designator R6)
R6_1 "10K" "RES 1206 (3216X08L)"#2 107.814,79.364 r270 top (schematic designator R6)
R6_1 "10K" "RES 1206 (3216X08L)"#2 150.314,79.364 r270 top (schematic designator R6)
R6_1 "10K" "RES 1206 (3216X08L)"#2 192.814,79.364 r270 top (schematic designator R6)
R6_1 "10K" "RES 1206 (3216X08L)"#2 235.314,79.364 r270 top (schematic designator R6)
R6_1 "10K" "RES 1206 (3216X08L)"#2 277.814,79.364 r270 top (schematic designator R6)
R6_1 "10K" "RES 1206 (3216X08L)"#2 22.814,29.364 r270 top (schematic designator R6)
R6_1 "10K" "RES 1206 (3216X08L)"#2 65.314,29.364 r270 top (schematic designator R6)
R6_1 "10K" "RES 1206 (3216X08L)"#2 107.814,29.364 r270 top (schematic designator R6)
R6_1 "10K" "RES 1206 (3216X08L)"#2 150.314,29.364 r270 top (schematic designator R6)
R6_1 "10K" "RES 1206 (3216X08L)"#2 192.814,29.364 r270 top (schematic designator R6)
R6_1 "10K" "RES 1206 (3216X08L)"#2 235.314,29.364 r270 top (schematic designator R6)
R6_1 "10K" "RES 1206 (3216X08L)"#2 277.814,29.364 r270 top (schematic designator R6)
R7 "10K" "RES 1206 (3216X08L)"#2 264.2,128.8 r90 top
R7 "10K" "RES 1206 (3216X08L)"#2 264.2,178.8 r90 top
R7 "10K" "RES 1206 (3216X08L)"#2 264.2,228.8 r90 top
R7 "10K" "RES 1206 (3216X08L)"#2 221.7,128.8 r90 top
R7 "10K" "RES 1206 (3216X08L)"#2 221.7,178.8 r90 top
R7 "10K" "RES 1206 (3216X08L)"#2 221.7,228.8 r90 top
R7 "10K" "RES 1206 (3216X08L)"#2 179.2,128.8 r90 top
R7 "10K" "RES 1206 (3216X08L)"#2 179.2,178.8 r90 top
R7 "10K" "RES 1206 (3216X08L)"#2 179.2,228.8 r90 top
R7 "10K" "RES 1206 (3216X08L)"#2 136.7,128.8 r90 top
R7 "10K" "RES 1206 (3216X08L)"#2 136.7,178.8 r90 top
R7 "10K" "RES 1206 (3216X08L)"#2 136.7,228.8 r90 top
R7 "10K" "RES 1206 (3216X08L)"#2 94.2,128.8 r90 top
R7 "10K" "RES 1206 (3216X08L)"#2 94.2,178.8 r90 top
R7 "10K" "RES 1206 (3216X08L)"#2 94.2,228.8 r90 top
R7 "10K" "RES 1206 (3216X08L)"#2 51.7,128.8 r90 top
R7 "10K" "RES 1206 (3216X08L)"#2 51.7,178.8 r90 top
R7 "10K" "RES 1206 (3216X08L)"#2 51.7,228.8 r90 top
R7 "10K" "RES 1206 (3216X08L)"#2 9.2,128.8 r90 top
R7 "10K" "RES 1206 (3216X08L)"#2 9.2,178.8 r90 top
R7 "10K" "RES 1206 (3216X08L)"#2 9.2,228.8 r90 top
R7_1 "10K" "RES 1206 (3216X08L)"#5 25.122,85.841 r90 top (schematic designator R7)
R7_1 "10K" "RES 1206 (3216X08L)"#5 67.622,85.841 r90 top (schematic designator R7)
R7_1 "10K" "RES 1206 (3216X08L)"#5 110.122,85.841 r90 top (schematic designator R7)
R7_1 "10K" "RES 1206 (3216X08L)"#5 152.622,85.841 r90 top (schematic designator R7)
R7_1 "10K" "RES 1206 (3216X08L)"#5 195.122,85.841 r90 top (schematic designator R7)
R7_1 "10K" "RES 1206 (3216X08L)"#5 237.622,85.841 r90 top (schematic designator R7)
R7_1 "10K" "RES 1206 (3216X08L)"#5 280.122,85.841 r90 top (schematic designator R7)
R7_1 "10K" "RES 1206 (3216X08L)"#5 25.122,35.841 r90 top (schematic designator R7)
R7_1 "10K" "RES 1206 (3216X08L)"#5 67.622,35.841 r90 top (schematic designator R7)
R7_1 "10K" "RES 1206 (3216X08L)"#5 110.122,35.841 r90 top (schematic designator R7)
R7_1 "10K" "RES 1206 (3216X08L)"#5 152.622,35.841 r90 top (schematic designator R7)
R7_1 "10K" "RES 1206 (3216X08L)"#5 195.122,35.841 r90 top (schematic designator R7)
R7_1 "10K" "RES 1206 (3216X08L)"#5 237.622,35.841 r90 top (schematic designator R7)
R7_1 "10K" "RES 1206 (3216X08L)"#5 280.122,35.841 r90 top (schematic designator R7)
R8 "10K" "RES 1206 (3216X08L)"#6 19.004,85.841 r90 top
R8 "10K" "RES 1206 (3216X08L)"#6 61.504,85.841 r90 top
R8 "10K" "RES 1206 (3216X08L)"#6 104.004,85.841 r90 top
R8 "10K" "RES 1206 (3216X08L)"#6 146.504,85.841 r90 top
R8 "10K" "RES 1206 (3216X08L)"#6 189.004,85.841 r90 top
R8 "10K" "RES 1206 (3216X08L)"#6 231.504,85.841 r90 top
R8 "10K" "RES 1206 (3216X08L)"#6 274.004,85.841 r90 top
R8 "10K" "RES 1206 (3216X08L)"#6 19.004,35.841 r90 top
R8 "10K" "RES 1206 (3216X08L)"#6 61.504,35.841 r90 top
R8 "10K" "RES 1206 (3216X08L)"#6 104.004,35.841 r90 top
R8 "10K" "RES 1206 (3216X08L)"#6 146.504,35.841 r90 top
R8 "10K" "RES 1206 (3216X08L)"#6 189.004,35.841 r90 top
R8 "10K" "RES 1206 (3216X08L)"#6 231.504,35.841 r90 top
R8 "10K" "RES 1206 (3216X08L)"#6 274.004,35.841 r90 top
R9 "10K" "RES 1206 (3216X08L)"#7 13.162,86.222 r90 top
R9 "10K" "RES 1206 (3216X08L)"#7 55.662,86.222 r90 top
R9 "10K" "RES 1206 (3216X08L)"#7 98.162,86.222 r90 top
R9 "10K" "RES 1206 (3216X08L)"#7 140.662,86.222 r90 top
R9 "10K" "RES 1206 (3216X08L)"#7 183.162,86.222 r90 top
R9 "10K" "RES 1206 (3216X08L)"#7 225.662,86.222 r90 top
R9 "10K" "RES 1206 (3216X08L)"#7 268.162,86.222 r90 top
R9 "10K" "RES 1206 (3216X08L)"#7 13.162,36.222 r90 top
R9 "10K" "RES 1206 (3216X08L)"#7 55.662,36.222 r90 top
R9 "10K" "RES 1206 (3216X08L)"#7 98.162,36.222 r90 top
R9 "10K" "RES 1206 (3216X08L)"#7 140.662,36.222 r90 top
R9 "10K" "RES 1206 (3216X08L)"#7 183.162,36.222 r90 top
R9 "10K" "RES 1206 (3216X08L)"#7 225.662,36.222 r90 top
R9 "10K" "RES 1206 (3216X08L)"#7 268.162,36.222 r90 top
R11 "10K" "RES 1206 (3216X08L)"#2 287.2,129 r90 top
R11 "10K" "RES 1206 (3216X08L)"#2 287.2,179 r90 top
R11 "10K" "RES 1206 (3216X08L)"#2 287.2,229 r90 top
R11 "10K" "RES 1206 (3216X08L)"#2 244.7,129 r90 top
R11 "10K" "RES 1206 (3216X08L)"#2 244.7,179 r90 top
R11 "10K" "RES 1206 (3216X08L)"#2 244.7,229 r90 top
R11 "10K" "RES 1206 (3216X08L)"#2 202.2,129 r90 top
R11 "10K" "RES 1206 (3216X08L)"#2 202.2,179 r90 top
R11 "10K" "RES 1206 (3216X08L)"#2 202.2,229 r90 top
R11 "10K" "RES 1206 (3216X08L)"#2 159.7,129 r90 top
R11 "10K" "RES 1206 (3216X08L)"#2 159.7,179 r90 top
R11 "10K" "RES 1206 (3216X08L)"#2 159.7,229 r90 top
R11 "10K" "RES 1206 (3216X08L)"#2 117.2,129 r90 top
R11 "10K" "RES 1206 (3216X08L)"#2 117.2,179 r90 top
R11 "10K" "RES 1206 (3216X08L)"#2 117.2,229 r90 top
R11 "10K" "RES 1206 (3216X08L)"#2 74.7,129 r90 top
R11 "10K" "RES 1206 (3216X08L)"#2 74.7,179 r90 top
R11 "10K" "RES 1206 (3216X08L)"#2 74.7,229 r90 top
R11 "10K" "RES 1206 (3216X08L)"#2 32.2,129 r90 top
R11 "10K" "RES 1206 (3216X08L)"#2 32.2,179 r90 top
R11 "10K" "RES 1206 (3216X08L)"#2 32.2,229 r90 top
R12 "10K" "RES 1206 (3216X08L)"#2 283.587,128.924 r270 top